# Altium PCB RK_NVR_DEMO1_RK3588_LP4XD200P232SD8_V21_20211228_final_lint.PcbDoc (part 3 of 29)
Units mm, origin at the board's own origin, x right, y up, seen from the top; angles counter-clockwise.
Board outline 170.08 x 169.98 mm, 8 copper layers (TOP, L2-GND1, L3-POWER1, L4-S1, L5-GND2, L6-S2, L7-GND3, BOTTOM), stack 2.118 mm thick; 1650 components, 1119 nets, 6165 pads, 15417 vias.
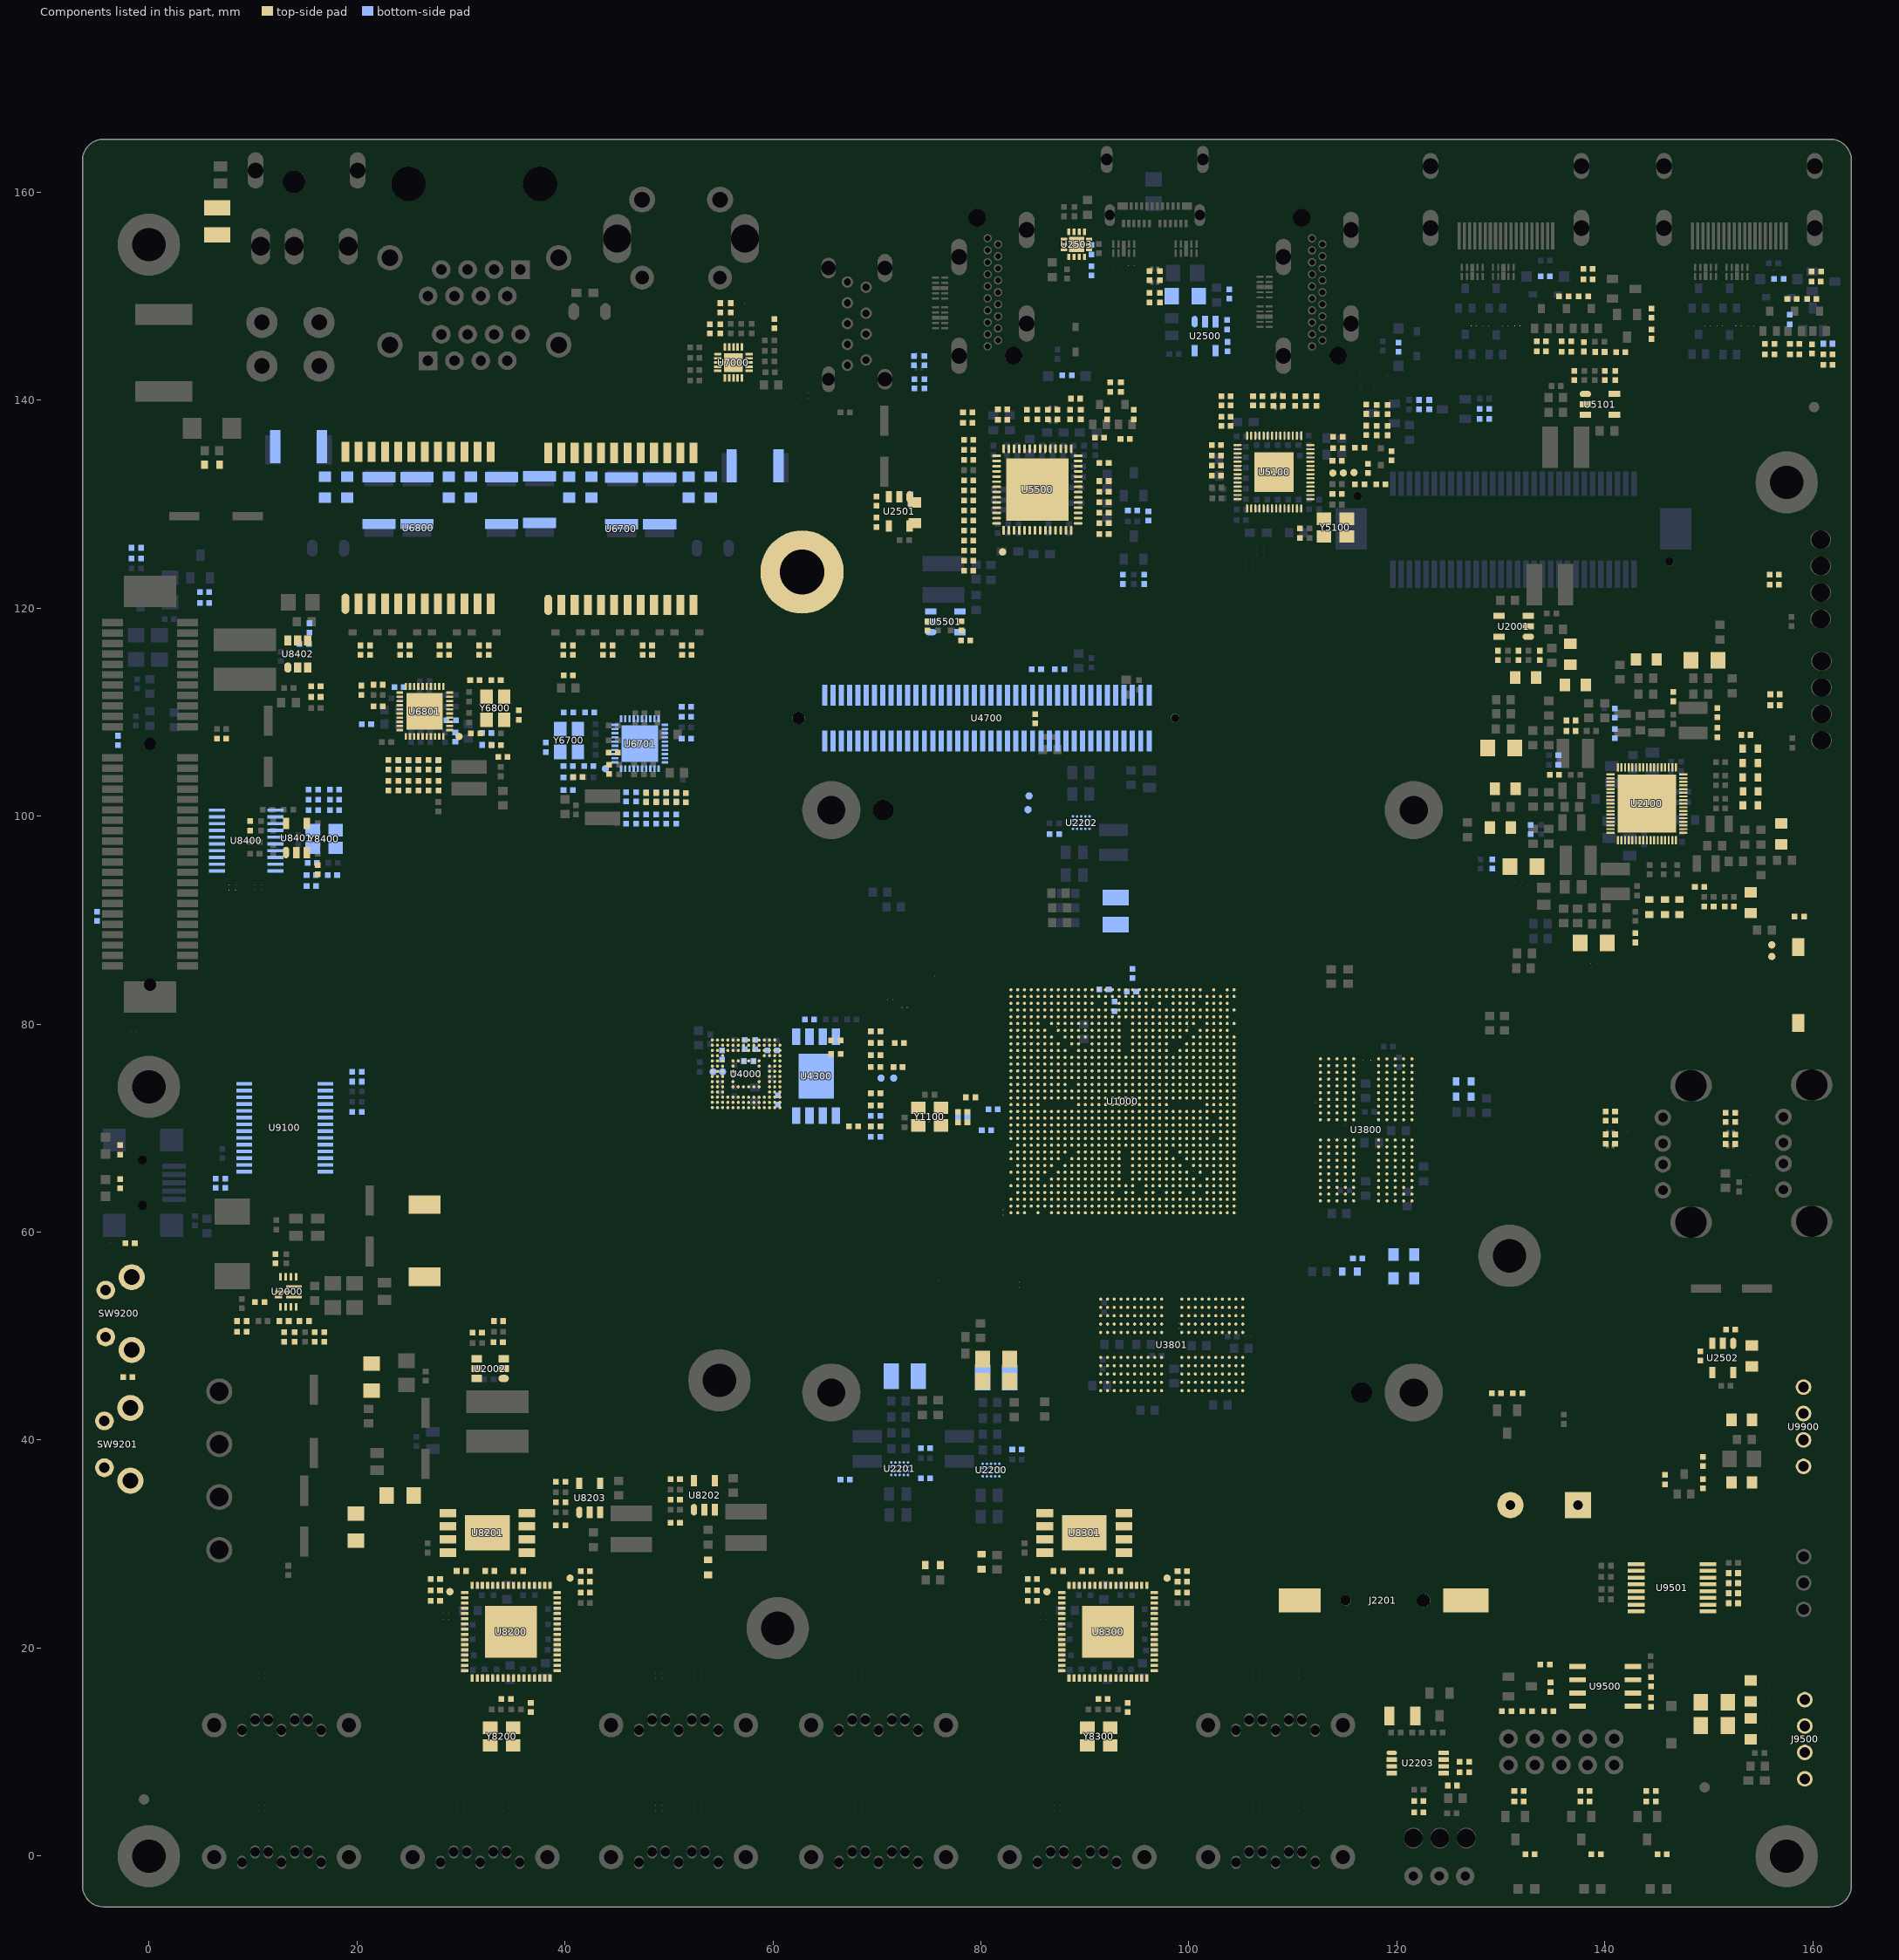
[diagram p9: the components of this part, seen from the top]

## Components (designator, comment, footprint, x,y, rotation, side; value= is the part's Value field where it differs from the comment) (continued)
R2136 "RESISTOR_R0402_100K" R0402#1 136.739,109.195 r0 top
R2137 "RESISTOR_R0402_10K" R0402#1 150.817,109.944 r270 top
R2138 "RESISTOR_R0402_10K" R0402#1 135.145,103.977 r0 top
R2139 "RESISTOR_R0603_0.05R" R0603 153.977,106.49 r0 top
R2140 "RESISTOR_R0402_100K" R0402#1 136.739,108.192 r180 top
R2141 "RESISTOR_R0603_0R" R0603 153.977,105.093 r0 top
R2142 "RESISTOR_R0603_0.02R" R0603 153.977,103.734 r0 top
R2143 "RESISTOR_R0603_0.02R" R0603 154.017,102.375 r0 top
R2144 "RESISTOR_R0603_0.05R" R0603 153.992,101.029 r0 top
R2150 "RESISTOR_R0402_100K" R0402#1 153.56,107.811 r0 top
R2200 "RESISTOR_R1210_0.01R" R1210#1 81.471,46.016 r0 bottom
R2201 "RESISTOR_R1210_0.01R" R1210#1 72.682,46.143 r0 bottom
R2202 "RESISTOR_R0402_100R" R0402#1 83.47,39.112 r180 bottom
R2203 "RESISTOR_R0402_100R" R0402#1 74.682,39.239 r180 bottom
R2204 "RESISTOR_R0402_100K" R0402#1 66.946,36.208 r180 bottom
R2205 "RESISTOR_R0402_120K" R0402#1 74.682,36.337 r180 bottom
R2206 "RESISTOR_R1210_0.01R" R1210#2 92.955,90.869 r90 bottom
R2207 "RESISTOR_R0402_100R" R0402#1 87.063,98.286 r180 bottom
R2209 "RESISTOR_R0402_0R" R0402#1 126.48,9.064 r0 top
R2210 "RESISTOR_R0402_0R" R0402#1 126.48,8.061 r0 top
R2220 "RESISTOR_R1206_0R" R1206 81.479,45.657 r180 top
R2221 "RESISTOR_R1206_0R" R1206 81.479,47.79 r180 top
R2500 "RESISTOR_R0402_4.7K" R0402#3 90.619,154.47 r270 bottom
R2501 "RESISTOR_R0402_DNP" R0402#3 90.619,152.438 r90 bottom
R2502 "RESISTOR_R0201_0R" R0201#2 100.779,152.591 r90 top
R2503 "RESISTOR_R0201_0R" R0201#2 100.144,152.591 r90 top
R2505 "RESISTOR_R0402_10K" R0402#3 103.877,150.203 r90 bottom
R2506 "RESISTOR_R0402_0R" R0402#1 97.223,151.981 r90 top
R2507 "RESISTOR_R0402_2.2R" R0402#1 97.223,149.848 r90 top
R2508 "RESISTOR_R0402_2.2R" R0402#1 96.207,149.848 r90 top
R2509 "RESISTOR_R0402_0R" R0402#1 96.207,151.981 r90 top
R2510 "RESISTOR_R0402_DNP" R0402#3 103.7,145.149 r270 bottom
R2511 "RESISTOR_R0402_4.7K" R0402#3 103.674,147.257 r90 bottom
R2512 "RESISTOR_R0201_0R" R0201#2 61.231,149.187 r90 top
R2513 "RESISTOR_R0805_0R" R0805#1 73.651,129.172 r90 top
R2514 "RESISTOR_R0201_0R" R0201#2 61.866,149.187 r90 top
R2515 "RESISTOR_R0402_10K" R0402#3 73.245,130.493 r270 bottom
R2516 "RESISTOR_R0402_DNP" R0402#1 69.943,128.258 r90 top
R2517 "RESISTOR_R0402_4.7K" R0402#1 69.943,130.29 r270 top
R2518 "RESISTOR_R0402_0R" R0402#3 74.566,143.802 r270 bottom
R2519 "RESISTOR_R0402_2.2R" R0402#3 74.566,141.567 r270 bottom
R2520 "RESISTOR_R0402_2.2R" R0402#3 73.601,141.567 r270 bottom
R2521 "RESISTOR_R0402_0R" R0402#3 73.55,143.802 r270 bottom
R2522 "RESISTOR_R0402_0R" R0402#1 140.976,68.949 r270 top
R2523 "RESISTOR_R0402_2.2R" R0402#1 140.976,71.161 r270 top
R2524 "RESISTOR_R0402_2.2R" R0402#1 140.061,71.161 r270 top
R2525 "RESISTOR_R0402_0R" R0402#1 140.061,68.949 r270 top
R2526 "RESISTOR_R0805_0R" R0805#1 154.119,48.095 r90 top
R2527 "RESISTOR_R0402_0R" R0402#1 152.533,68.923 r270 top
R2528 "RESISTOR_R0402_2.2R" R0402#1 152.533,71.034 r270 top
R2529 "RESISTOR_R0402_10K" R0402#1 152.087,50.635 r180 top
R2530 "RESISTOR_R0402_2.2R" R0402#1 151.618,71.034 r270 top
R2531 "RESISTOR_R0402_0R" R0402#1 151.618,68.923 r270 top
R2532 "RESISTOR_R0402_4.7K" R0402#1 149.191,48.095 r270 top
R2533 "RESISTOR_R0201_100K" R0201#1 92.549,147.257 r270 bottom
R2534 "RESISTOR_R0201_100K" R0201#1 91.838,147.257 r270 bottom
R2535 "RESISTOR_R0201_2M" R0201#2 91.635,148.171 r180 top
R2536 "RESISTOR_R0201_2M" R0201#2 92.854,148.171 r0 top
R2537 "RESISTOR_R0201_0R" R0201#2 94.784,152.692 r90 top
R2538 "RESISTOR_R0201_0R" R0201#2 94.149,152.692 r90 top
R2539 "RESISTOR_R1206_0R" R1206 99.63,150 r0 bottom
R3800 "RESISTOR_R0603_0R" R0603 126.416,74.482 r0 bottom
R3801 "RESISTOR_R0201_49.9R" R0201#1 115.079,70.523 r270 bottom
R3802 "RESISTOR_R0201_49.9R" R0201#1 115.841,70.523 r270 bottom
R3803 "RESISTOR_R0603_0R" R0603 126.416,73.009 r0 bottom
R3804 "RESISTOR_R0201_49.9R" R0201#2 114.19,69.025 r0 bottom
R3805 "RESISTOR_R0201_49.9R" R0201#2 115.587,69.025 r0 bottom
R3806 "RESISTOR_R0201_10K" R0201#2 112.412,72.454 r0 bottom
R3807 "RESISTOR_R0201_10K" R0201#2 112.424,67.374 r180 bottom
R3808 "RESISTOR_R0805_0R" R0805#1 120.667,55.563 r180 bottom
R3809 "RESISTOR_R0201_240R" R0201#1 116.73,76.772 r270 bottom
R3810 "RESISTOR_R0201_240R" R0201#1 117.492,76.772 r270 bottom
R3811 "RESISTOR_R0805_0R" R0805#1 120.667,57.849 r180 bottom
R3812 "RESISTOR_R0201_49.9R" R0201#1 99.077,50.991 r90 bottom
R3813 "RESISTOR_R0201_49.9R" R0201#1 99.077,49.848 r270 bottom
R3814 "RESISTOR_R0201_49.9R" R0201#4 96.257,52.769 r135 bottom
R3815 "RESISTOR_R0201_49.9R" R0201#1 97.451,51.499 r90 bottom
R3816 "RESISTOR_R0201_10K" R0201#1 101.134,53.81 r90 bottom
R3817 "RESISTOR_R0201_10K" R0201#2 95.597,53.505 r0 bottom
R3818 "RESISTOR_R0201_240R" R0201#2 105.681,49.975 r0 bottom
R3819 "RESISTOR_R0201_240R" R0201#2 105.554,47.816 r0 bottom
R4000 "RESISTOR_R0402_10K" R0402#1 59.935,77.458 r0 bottom
R4001 "RESISTOR_R0402_10K" R0402#3 55.109,77.026 r90 bottom
R4002 "RESISTOR_R0402_10K" R0402#1 57.675,76.442 r180 bottom
R4003 "RESISTOR_R0402_0R" R0402#3 57.294,78.042 r90 bottom
R4004 "RESISTOR_R0402_47K" R0402#3 58.31,78.042 r270 bottom
R4300 "RESISTOR_R0402_10K" R0402#3 60.469,72.708 r90 bottom
R4301 "RESISTOR_R0402_10K" R0402#1 63.517,80.455 r0 bottom
R4734 "RESISTOR_R0402_0R" R0402#1 85.335,114.135 r0 bottom
R4735 "RESISTOR_R0402_0R" R0402#1 85.234,109.36 r90 top
R4736 "RESISTOR_R0402_0R" R0402#1 87.571,114.135 r0 bottom
R5000 "RESISTOR_R0402_10K" R0402#3 157.776,147.765 r270 bottom
R5001 "RESISTOR_R0402_1.8K" R0402#1 157.991,149.727 r180 top
R5002 "RESISTOR_R0402_10K" R0402#1 158.245,145.422 r0 top
R5003 "RESISTOR_R0402_22R" R0402#1 158.245,144.393 r0 top
R5004 "RESISTOR_R0402_1.2K" R0402#1 160.33,152.362 r180 top
R5005 "RESISTOR_R0402_47K" R0402#1 161.434,145.428 r180 bottom
R5006 "RESISTOR_R0402_10K" R0402#1 161.434,144.412 r0 top
R5007 "RESISTOR_R0402_1.8K" R0402#1 159.889,149.727 r0 top
R5008 "RESISTOR_R0402_22R" R0402#1 161.434,143.396 r0 top
R5009 "RESISTOR_R0402_27K" R0402#1 155.841,145.409 r0 top
R5010 "RESISTOR_R0402_0R" R0402#1 156.721,151.65 r0 bottom
R5011 "RESISTOR_R0402_22R" R0402#1 155.846,144.412 r0 top
R5012 "RESISTOR_R0402_10K" R0402#1 136.299,145.676 r0 top
R5013 "RESISTOR_R0402_1.8K" R0402#1 136.045,149.981 r180 top
R5014 "RESISTOR_R0402_10K" R0402#1 144.467,146.342 r270 top
R5015 "RESISTOR_R0402_22R" R0402#1 136.299,144.647 r0 top
R5016 "RESISTOR_R0402_1.2K" R0402#1 138.385,152.616 r180 top
R5017 "RESISTOR_R0402_47K" R0402#1 144.467,148.374 r90 top
R5018 "RESISTOR_R0402_10K" R0402#1 139.518,144.634 r0 top
R5019 "RESISTOR_R0402_1.8K" R0402#1 137.944,149.981 r0 top
R5020 "RESISTOR_R0402_22R" R0402#1 141.52,144.615 r180 top
R5021 "RESISTOR_R0402_27K" R0402#1 133.895,145.663 r0 top
R5022 "RESISTOR_R0402_0R" R0402#1 134.267,151.904 r0 bottom
R5023 "RESISTOR_R0402_22R" R0402#1 133.895,144.688 r0 top
R5025 "RESISTOR_R0402_1K" R0402#1 159.91,144.92 r90 top
R5026 "RESISTOR_R0402_1K" R0402#1 137.964,145.123 r90 top
R5027 "RESISTOR_R0402_47K" R0402#1 160.316,151.422 r180 top
R5028 "RESISTOR_R0402_47K" R0402#1 138.371,151.626 r180 top
R5100 "RESISTOR_R0402_12K" R0402#1 102.646,133.708 r180 top
R5101 "RESISTOR_R0402_10K" R0402#1 102.646,132.743 r0 top
R5102 "RESISTOR_R0402_22R" R0402#1 102.646,135.674 r180 top
R5103 "RESISTOR_R0402_2.2R" R0402#1 103.561,137.533 r180 top
R5104 "RESISTOR_R0402_2.2R" R0402#1 103.561,138.422 r180 top
R5105 "RESISTOR_R0402_2.2R" R0402#1 103.561,139.489 r180 top
R5106 "RESISTOR_R0402_2.2R" R0402#1 103.561,140.378 r180 top
R5107 "RESISTOR_R0402_22R" R0402#1 102.646,134.673 r180 top
R5108 "RESISTOR_R0402_2.2R" R0402#1 106.168,139.937 r90 top
R5109 "RESISTOR_R0402_2.2R" R0402#1 107.057,139.937 r90 top
R5110 "RESISTOR_R0402_2.2R" R0402#1 108.131,139.916 r90 top
R5111 "RESISTOR_R0402_2.2R" R0402#1 109.046,139.916 r90 top
R5112 "RESISTOR_R0402_22R" R0402#1 114.252,134.16 r0 top
R5113 "RESISTOR_R0402_10.5K" R0402#1 110.227,139.916 r90 top
R5114 "RESISTOR_R0402_47K" R0402#1 116.425,135.42 r0 top
R5115 "RESISTOR_R0402_0R" R0402#1 110.676,127.21 r90 top
R5116 "RESISTOR_R0402_10K" R0402#1 111.243,139.916 r90 top
R5117 "RESISTOR_R0402_10K" R0402#1 114.252,130.971 r0 top
R5118 "RESISTOR_R0402_10K" R0402#1 114.327,135.39 r0 top
R5119 "RESISTOR_R0402_10K" R0402#1 114.327,136.483 r0 top
R5120 "RESISTOR_R0402_0R" R0402#3 120.157,145.094 r90 bottom
R5121 "RESISTOR_R0402_100K" R0402#1 116.425,131.915 r180 top
R5122 "RESISTOR_R0402_0R" R0402#1 118.457,131.915 r180 top
R5123 "RESISTOR_R0402_1.8K" R0402#1 118.076,139.103 r270 top
R5124 "RESISTOR_R0402_22R" R0402#1 118.076,137.071 r90 top
R5125 "RESISTOR_R0402_1.8K" R0402#1 119.092,139.103 r270 top
R5126 "RESISTOR_R0402_100K" R0402#3 122.145,139.568 r270 bottom
R5127 "RESISTOR_R0402_22R" R0402#1 119.092,137.071 r90 top
R5128 "RESISTOR_R0402_10K" R0402#3 123.11,139.568 r90 bottom
R5129 "RESISTOR_R0402_10K" R0402#1 128.421,138.194 r180 bottom
R5130 "RESISTOR_R0402_51K" R0402#1 128.421,139.164 r0 bottom
R5131 "RESISTOR_R0402_10K" R0402#1 137.049,142.371 r270 top
R5132 "RESISTOR_R0402_100K" R0402#1 140.002,142.371 r270 top
R5133 "RESISTOR_R0402_150K" R0402#1 140.987,142.371 r90 top
R5135 "RESISTOR_R0402_470K" R0402#1 119.473,134.658 r270 top
R5136 "RESISTOR_R0402_10K" R0402#1 112.259,139.916 r270 top
R5137 "RESISTOR_R0402_1.2K" R0402#1 117.035,139.129 r90 top
R5138 "RESISTOR_R0402_0R" R0402#1 117.238,133.439 r270 top
R5139 "RESISTOR_R0402_10K" R0402#1 117.035,137.097 r270 top
R5500 "RESISTOR_R0402_0R" R0402#1 78.833,128.422 r180 top
R5501 "RESISTOR_R0402_0R" R0402#1 78.833,129.388 r180 top
R5502 "RESISTOR_R0402_0R" R0402#1 78.833,130.353 r180 top
R5503 "RESISTOR_R0402_0R" R0402#1 78.833,131.318 r180 top
R5504 "RESISTOR_R0402_100K" R0402#1 78.833,132.283 r180 top
R5506 "RESISTOR_R0402_100K" R0402#1 78.833,127.457 r180 top
R5507 "RESISTOR_R0402_4.7K" R0402#1 78.833,134.252 r180 top
R5508 "RESISTOR_R0402_100K" R0402#1 78.833,126.492 r180 top
R5509 "RESISTOR_R0402_4.7K" R0402#1 78.833,135.217 r180 top
R5510 "RESISTOR_R0402_100K" R0402#1 78.833,125.527 r180 top
R5511 "RESISTOR_R0402_10K" R0402#1 78.833,123.596 r180 top
R5512 "RESISTOR_R0402_2.2R" R0402#1 82.084,139.129 r180 top
R5513 "RESISTOR_R0402_10K" R0402#1 78.833,136.182 r180 top
R5514 "RESISTOR_R0402_2.2R" R0402#1 78.731,137.808 r180 top
R5515 "RESISTOR_R0402_2.2R" R0402#1 82.084,138.113 r180 top
R5516 "RESISTOR_R0402_2.2R" R0402#1 78.731,138.824 r180 top
R5517 "RESISTOR_R0402_2.2R" R0402#1 84.421,138.621 r90 top
R5518 "RESISTOR_R0402_2.2R" R0402#1 85.437,138.621 r90 top
R5519 "RESISTOR_R0402_2.2R" R0402#1 86.429,138.621 r90 top
R5520 "RESISTOR_R0201_0R" R0201#2 83.581,125.311 r90 top
R5521 "RESISTOR_R0201_0R" R0201#2 84.293,125.311 r90 top
R5522 "RESISTOR_R0402_2.2R" R0402#1 87.343,138.621 r90 top
R5523 "RESISTOR_R0201_0R" R0201#2 84.581,123.381 r90 top
R5524 "RESISTOR_R0201_0R" R0201#2 85.293,123.381 r90 top
R5525 "RESISTOR_R0201_0R" R0201#2 85.581,125.311 r90 top
R5526 "RESISTOR_R0201_0R" R0201#2 86.293,125.311 r90 top
R5527 "RESISTOR_R0201_0R" R0201#2 86.581,123.381 r90 top
R5528 "RESISTOR_R0402_22R" R0402#1 89.095,140.145 r180 top
R5529 "RESISTOR_R0201_0R" R0201#2 87.293,123.381 r90 top
R5530 "RESISTOR_R0201_0R" R0201#2 87.581,125.311 r90 top
R5531 "RESISTOR_R0402_5.6K" R0402#1 88.587,138.621 r90 top
R5532 "RESISTOR_R0201_0R" R0201#2 88.293,125.311 r90 top
R5533 "RESISTOR_R0402_47K" R0402#1 89.603,138.621 r270 top
R5534 "RESISTOR_R0402_100K" R0402#1 91.838,127.14 r0 top
R5535 "RESISTOR_R0402_100K" R0402#5 91.838,128.156 r0 top
R5536 "RESISTOR_R0402_100K" R0402#1 91.838,129.172 r0 top
R5537 "RESISTOR_R0402_100K" R0402#1 91.838,130.188 r0 top
R5538 "RESISTOR_R0402_33R" R0402#1 91.838,133.947 r0 top
R5539 "RESISTOR_R0402_100K" R0402#1 91.838,131.204 r0 top
R5540 "RESISTOR_R0402_0R" R0402#1 88.282,142.38 r180 bottom
R5541 "RESISTOR_R0402_100K" R0402#1 91.838,132.22 r0 top
R5542 "RESISTOR_R0402_10K" R0402#1 91.402,136.386 r0 top
R5543 "RESISTOR_R0402_1.8K" R0402#1 92.447,141.262 r270 top
R5544 "RESISTOR_R0402_22R" R0402#1 92.143,138.621 r90 top
R5545 "RESISTOR_R0402_100K" R0402#1 94.581,129.375 r0 bottom
R5546 "RESISTOR_R0402_10K" R0402#3 96.105,128.867 r90 bottom
R5547 "RESISTOR_R0402_10K" R0402#1 93.87,136.284 r0 top
R5548 "RESISTOR_R0402_1.8K" R0402#1 93.463,141.262 r270 top
R5549 "RESISTOR_R0402_10K" R0402#3 93.667,122.771 r270 bottom
R5550 "RESISTOR_R0402_22R" R0402#1 94.683,138.621 r90 top
R5551 "RESISTOR_R0402_51K" R0402#3 95.699,122.771 r90 bottom
R5552 "RESISTOR_R0402_10K" R0402#1 74.871,118.301 r270 top
R5553 "RESISTOR_R0402_100K" R0402#1 78.122,118.301 r270 top
R5554 "RESISTOR_R0402_100K" R0402#1 78.528,116.878 r0 top
R5556 "RESISTOR_R0402_10K" R0402#1 78.833,124.562 r180 top
R6700 "RESISTOR_R0402_0R" R0402#1 39.844,115.959 r90 top
R6701 "RESISTOR_R0402_0R" R0402#1 40.758,115.959 r90 top
R6702 "RESISTOR_R0402_0R" R0402#3 38.159,106.622 r270 bottom
R6703 "RESISTOR_R0402_0R" R0402#1 43.654,115.959 r90 top
R6704 "RESISTOR_R0402_0R" R0402#1 44.568,115.959 r90 top
R6705 "RESISTOR_R0402_0R" R0402#1 47.464,115.959 r90 top
R6706 "RESISTOR_R0402_0R" R0402#1 48.378,115.959 r90 top
R6707 "RESISTOR_R0402_0R" R0402#1 51.274,115.959 r90 top
R6708 "RESISTOR_R0402_0R" R0402#1 52.188,115.959 r90 top
R6709 "RESISTOR_R0402_0R" R0402#1 40.341,109.961 r0 bottom
R6710 "RESISTOR_R0805_75R" R0805#2 54.028,131.628 r90 bottom
R6711 "RESISTOR_R0805_75R" R0805#2 51.894,131.628 r90 bottom
R6712 "RESISTOR_R0805_75R" R0805#2 42.547,131.628 r90 bottom
R6713 "RESISTOR_R0805_75R" R0805#2 40.414,131.628 r90 bottom
R6714 "RESISTOR_R0402_100R" R0402#1 42.3,104.796 r0 bottom
R6715 "RESISTOR_R0402_120R" R0402#1 40.317,104.797 r180 bottom
R6716 "RESISTOR_R0402_4.7K" R0402#1 44.654,106.118 r0 top
R6717 "RESISTOR_R0402_4.7K" R0402#1 44.255,104.501 r90 top
R6718 "RESISTOR_R0402_4.7K" R0402#1 40.317,103.719 r180 bottom
R6719 "RESISTOR_R0402_4.7K" R0402#1 41.241,103.747 r180 top
R6720 "RESISTOR_R0402_4.7K" R0402#1 40.317,102.513 r180 bottom
R6721 "RESISTOR_R0402_2.49K" R0402#1 42.379,109.961 r180 bottom
R6722 "RESISTOR_R0402_4.7K" R0402#3 50.706,101.862 r270 bottom
R6723 "RESISTOR_R0402_4.7K" R0402#1 50.698,101.778 r270 top
R6724 "RESISTOR_R0402_4.7K" R0402#3 45.88,101.862 r270 bottom
R6725 "RESISTOR_R0402_4.7K" R0402#3 46.845,101.862 r270 bottom
R6726 "RESISTOR_R0402_4.7K" R0402#3 47.811,101.862 r270 bottom
R6727 "RESISTOR_R0402_4.7K" R0402#1 47.811,101.778 r270 top
R6728 "RESISTOR_R0402_4.7K" R0402#3 48.776,101.862 r270 bottom
R6729 "RESISTOR_R0402_4.7K" R0402#1 48.776,101.778 r270 top
R6730 "RESISTOR_R0402_0R" R0402#1 51.613,101.778 r90 top
R6731 "RESISTOR_R0402_4.7K" R0402#3 49.741,101.862 r270 bottom
R6732 "RESISTOR_R0402_4.7K" R0402#1 49.741,101.778 r270 top
R6733 "RESISTOR_R0402_0R" R0402#1 40.329,113.551 r0 top
R6734 "RESISTOR_R0402_4.7K" R0402#1 51.68,109.536 r0 bottom
R6735 "RESISTOR_R0402_1.8K" R0402#1 51.68,107.466 r180 bottom
R6736 "RESISTOR_R0402_0R" R0402#1 51.68,110.501 r180 bottom
R6737 "RESISTOR_R0402_22R" R0402#3 47.811,99.723 r90 bottom
R6738 "RESISTOR_R0402_22R" R0402#3 48.776,99.723 r90 bottom
R6739 "RESISTOR_R0402_22R" R0402#3 49.741,99.723 r90 bottom
R6740 "RESISTOR_R0402_22R" R0402#3 50.706,99.723 r90 bottom
R6741 "RESISTOR_R0402_22R" R0402#3 45.88,99.723 r90 bottom
R6742 "RESISTOR_R0402_22R" R0402#3 46.845,99.723 r90 bottom
R6800 "RESISTOR_R0402_0R" R0402#1 20.337,115.959 r90 top
R6801 "RESISTOR_R0402_0R" R0402#1 21.251,115.959 r90 top
R6802 "RESISTOR_R0402_0R" R0402#1 35.56,109.721 r90 top
R6803 "RESISTOR_R0402_0R" R0402#1 24.147,115.959 r90 top
R6804 "RESISTOR_R0402_0R" R0402#1 25.061,115.959 r90 top
R6805 "RESISTOR_R0402_0R" R0402#1 27.957,115.959 r90 top
R6806 "RESISTOR_R0402_0R" R0402#1 28.871,115.959 r90 top
R6807 "RESISTOR_R0402_0R" R0402#1 31.767,115.959 r90 top
R6808 "RESISTOR_R0402_0R" R0402#1 32.681,115.959 r90 top
R6809 "RESISTOR_R0402_0R" R0402#1 33.378,113.06 r180 top
R6810 "RESISTOR_R0805_75R" R0805#2 30.965,131.628 r90 bottom
R6811 "RESISTOR_R0805_75R" R0805#2 28.831,131.628 r90 bottom
R6812 "RESISTOR_R0805_75R" R0805#2 19.067,131.628 r90 bottom
R6813 "RESISTOR_R0805_75R" R0805#2 16.933,131.628 r90 bottom
R6814 "RESISTOR_R0402_100R" R0402#1 31.419,107.946 r180 top
R6815 "RESISTOR_R0402_120R" R0402#1 32.478,108.014 r180 bottom
R6816 "RESISTOR_R0402_4.7K" R0402#1 29.065,109.216 r180 bottom
R6817 "RESISTOR_R0402_4.7K" R0402#3 29.464,107.6 r270 bottom
R6818 "RESISTOR_R0402_4.7K" R0402#1 33.402,106.843 r0 top
R6819 "RESISTOR_R0402_4.7K" R0402#1 32.478,106.845 r0 bottom
R6820 "RESISTOR_R0402_4.7K" R0402#1 34.027,105.702 r0 top
R6821 "RESISTOR_R0402_2.49K" R0402#1 31.34,113.06 r0 top
R6822 "RESISTOR_R0402_4.7K" R0402#1 23.013,104.935 r270 top
R6823 "RESISTOR_R0402_4.7K" R0402#1 27.839,104.935 r90 top
R6824 "RESISTOR_R0402_4.7K" R0402#3 27.796,104.904 r90 bottom
R6825 "RESISTOR_R0402_4.7K" R0402#1 26.873,104.935 r90 top
R6826 "RESISTOR_R0402_4.7K" R0402#1 25.908,104.935 r90 top
R6827 "RESISTOR_R0402_4.7K" R0402#3 25.908,104.91 r90 bottom
R6828 "RESISTOR_R0402_4.7K" R0402#1 24.943,104.935 r90 top
R6829 "RESISTOR_R0402_4.7K" R0402#3 24.943,104.91 r90 bottom
R6830 "RESISTOR_R0402_0R" R0402#1 20.921,108.852 r0 bottom
R6831 "RESISTOR_R0402_4.7K" R0402#1 23.978,104.935 r90 top
R6832 "RESISTOR_R0402_4.7K" R0402#3 23.978,104.91 r90 bottom
R6833 "RESISTOR_R0402_0R" R0402#1 24.05,112.401 r180 bottom
R6834 "RESISTOR_R0402_4.7K" R0402#1 22.039,112.635 r180 top
R6835 "RESISTOR_R0402_1.8K" R0402#1 22.039,110.564 r0 top
R6836 "RESISTOR_R0402_0R" R0402#1 20.413,112.103 r90 top
R6837 "RESISTOR_R0402_22R" R0402#1 25.908,102.923 r270 top
R6838 "RESISTOR_R0402_22R" R0402#1 24.943,102.923 r270 top
R6839 "RESISTOR_R0402_22R" R0402#1 23.978,102.923 r270 top
R6840 "RESISTOR_R0402_22R" R0402#1 23.013,102.923 r270 top
R6841 "RESISTOR_R0402_22R" R0402#1 27.839,102.923 r270 top
R6842 "RESISTOR_R0402_22R" R0402#1 26.873,102.923 r270 top
R7000 "RESISTOR_R0402_10K" R0402#1 54.932,148.882 r90 top
R7001 "RESISTOR_R0402_10K" R0402#1 55.948,148.882 r90 top
R7002 "RESISTOR_R0402_10K" R0402#1 53.941,146.85 r90 top
R7003 "RESISTOR_R0402_10K" R0402#1 60.139,147.358 r90 top
R7004 "RESISTOR_R0402_10K" R0402#1 54.957,146.85 r90 top
R7005 "RESISTOR_R0402_10K" R0402#1 129.578,44.504 r0 top
R7006 "RESISTOR_R0402_51K" R0402#1 131.598,44.504 r0 top
R8200 "RESISTOR_R0402_100K" R0402#1 41.96,25.345 r180 top
R8201 "RESISTOR_R0402_0R" R0402#1 41.96,26.374 r180 top
R8202 "RESISTOR_R0402_4.7K" R0402#1 41.96,27.403 r180 top
R8203 "RESISTOR_R0402_10K" R0402#1 32.783,27.42 r180 top
R8204 "RESISTOR_R0402_10K" R0402#1 35.526,27.42 r180 top
R8205 "RESISTOR_R0402_10K" R0402#1 30.04,27.42 r0 top
R8206 "RESISTOR_R0402_12K" R0402#1 36.72,14.288 r270 top
R8207 "RESISTOR_R0402_1M" R0402#1 34.347,15.092 r180 top
R8208 "RESISTOR_R0402_4.7K" R0402#1 27.547,26.632 r0 top
R8209 "RESISTOR_R0402_0R" R0402#1 27.547,24.541 r0 top
R8210 "RESISTOR_R0402_4.7K" R0402#1 27.547,25.557 r0 top
R8211 "RESISTOR_R0603_0R" R0603 53.773,27.756 r90 top
R8212 "RESISTOR_R0402_10K" R0402#1 50.614,32.065 r0 top
R8213 "RESISTOR_R0402_150K" R0402#1 50.614,34.269 r0 top
R8214 "RESISTOR_R0402_33K" R0402#1 50.614,36.238 r180 top
R8215 "RESISTOR_R0402_10K" R0402#1 39.59,31.811 r0 top
R8216 "RESISTOR_R0402_100K" R0402#1 39.59,34.015 r0 top
R8217 "RESISTOR_R0402_100K" R0402#1 39.59,35.984 r180 top